# Altium PCB х__логия_v25.PcbDoc (part 1 of 3) (continued)
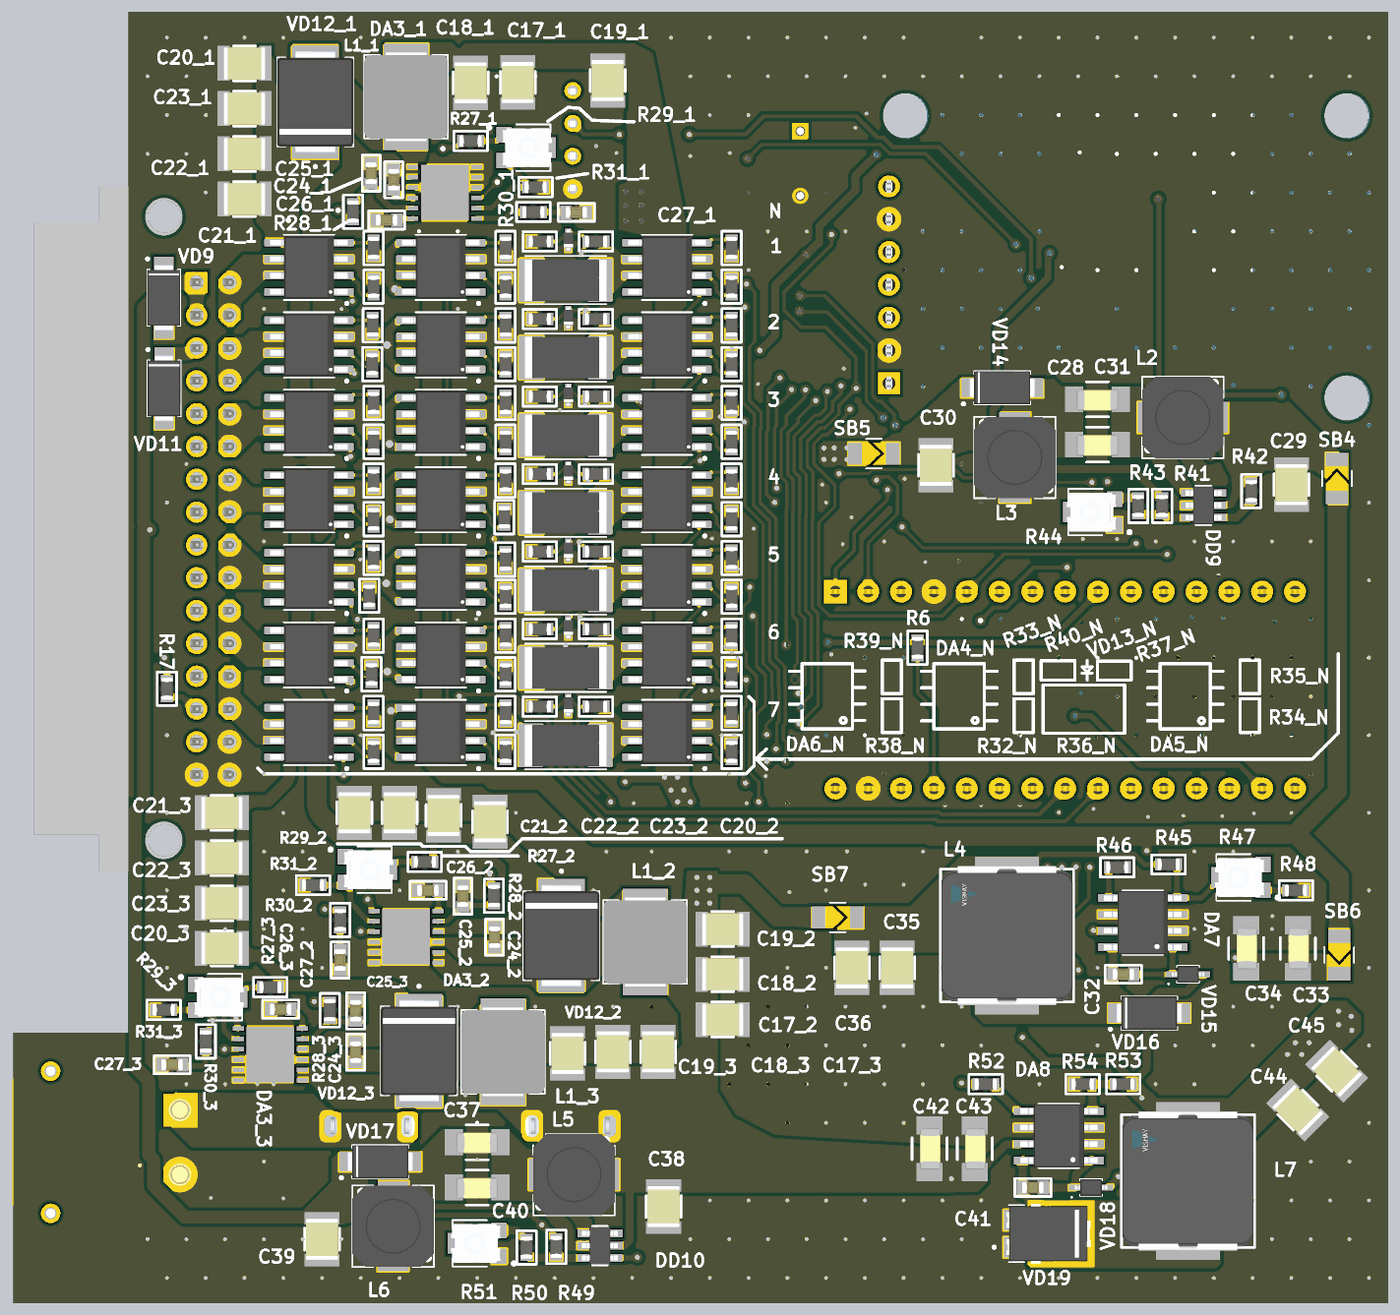
[diagram p7: 3D render of the assembled board from below, using the file's embedded part models]

## Layer stack, top to bottom
Top Solder: solder mask 0.0102, Solder Resist, Dk 3.5
Top Layer: signal copper 0.0356
Dielectric 2: prepreg 0.0711, PP-006, Dk 4.1
Layer 1: signal copper 0.035
Dielectric 1: dielectric 1.3, FR-4, Dk 4.8
Layer 2: signal copper 0.035
Dielectric 3: prepreg 0.0711, PP-006, Dk 4.1
Bottom Layer: signal copper 0.0356
Bottom Solder: solder mask 0.0102, Solder Resist, Dk 3.5

## Board outline
0,0 106.4,0 106.4,20.975 97.5,20.975 97.5,100 0,100

## Design rules (kind name [scope] priority, off if disabled: settings)
Clearance [All] p1: gap=0.254 ignorepadtopadclearanceinfootprint=TRUE
DiffPairsRouting [All] p1: maxlimit=0.254 minlimit=0.254 mostfreqgap=0.254 toplayer_minwidth=0.381 toplayer_maxwidth=0.381 toplayer_prefwidth=0.381 midlayer1_minwidth=0.381 midlayer1_maxwidth=0.381 midlayer1_prefwidth=0.381 midlayer2_minwidth=0.381 midlayer2_maxwidth=0.381 midlayer2_prefwidth=0.381 bottomlayer_minwidth=0.381 bottomlayer_maxwidth=0.381 bottomlayer_prefwidth=0.381 maxuncoupledlength=12.7
HoleSize [All] p1: absolutevalues=TRUE maxlimit=3.5 minlimit=0.3 maxpercent=80.000 minpercent=20.000
MinimumSolderMaskSliver [All] p1: minsoldermaskwidth=0.1
PolygonConnect [All] p1: connectstyle=Direct reliefconductorwidth=0.5 reliefentries=4 polygonreliefangle="90 Angle" airgapwidth=0.254
RoomDefinition switches1 [InComponentClass('switches1')] p1: confinementstyle=ConfineIn formatcopy=TRUE lockcomponents=FALSE outline 50.407,77.065 50.407,80.373 50.407,83.373 63.433,83.373 63.433,83.575 64.868,83.575 64.868,83.373 79.615,83.373 79.615,83.173 87.5,83.173 87.5,77.265 79.615,77.265 79.615,77.065 68.49,77.065 68.49,77 60.212,77 60.212,77.065
RoomDefinition switches2 [InComponentClass('switches2')] p2: confinementstyle=ConfineIn formatcopy=TRUE lockcomponents=FALSE outline 50.407,71.065 50.407,74.373 50.407,77.373 63.433,77.373 63.433,77.575 64.868,77.575 64.868,77.373 79.615,77.373 79.615,77.173 87.5,77.173 87.5,71.265 79.615,71.265 79.615,71.065 68.49,71.065 68.49,71 60.212,71 60.212,71.065
RoomDefinition switches3 [InComponentClass('switches3')] p3: confinementstyle=ConfineIn formatcopy=TRUE lockcomponents=FALSE outline 50.407,65.065 50.407,68.373 50.407,71.373 63.433,71.373 63.433,71.575 64.868,71.575 64.868,71.373 79.615,71.373 79.615,71.173 87.5,71.173 87.5,65.265 79.615,65.265 79.615,65.065 68.49,65.065 68.49,65 60.212,65 60.212,65.065
RoomDefinition switches4 [InComponentClass('switches4')] p4: confinementstyle=ConfineIn formatcopy=TRUE lockcomponents=FALSE outline 50.407,59.065 50.407,62.373 50.407,65.373 63.433,65.373 63.433,65.575 64.868,65.575 64.868,65.373 79.615,65.373 79.615,65.173 87.5,65.173 87.5,59.265 79.615,59.265 79.615,59.065 68.49,59.065 68.49,59 60.212,59 60.212,59.065
RoomDefinition switches5 [InComponentClass('switches5')] p5: confinementstyle=ConfineIn formatcopy=TRUE lockcomponents=FALSE outline 50.407,53.065 50.407,56.373 50.407,59.373 63.433,59.373 63.433,59.575 64.868,59.575 64.868,59.373 79.615,59.373 79.615,59.173 87.5,59.173 87.5,53.265 79.615,53.265 79.615,53.065 68.49,53.065 68.49,53 60.212,53 60.212,53.065
RoomDefinition switches6 [InComponentClass('switches6')] p6: confinementstyle=ConfineIn formatcopy=TRUE lockcomponents=FALSE outline 50.407,47.065 50.407,50.373 50.407,53.373 63.433,53.373 63.433,53.575 64.868,53.575 64.868,53.373 79.615,53.373 79.615,53.173 87.5,53.173 87.5,47.265 79.615,47.265 79.615,47.065 68.49,47.065 68.49,47 60.212,47 60.212,47.065
RoomDefinition "Uswitches 7" [InComponentClass('Uswitches 7')] p7: confinementstyle=ConfineIn formatcopy=TRUE lockcomponents=FALSE outline 50.407,41.065 50.407,44.373 50.407,47.373 63.433,47.373 63.433,47.575 64.868,47.575 64.868,47.373 79.615,47.373 79.615,47.173 87.5,47.173 87.5,41.265 79.615,41.265 79.615,41.065 68.49,41.065 68.49,41 60.212,41 60.212,41.065
RoomDefinition "dc dc жарить панели2" [InComponentClass('dc dc жарить панели2')] p8: confinementstyle=ConfineIn formatcopy=TRUE lockcomponents=FALSE outline 53.794,20.043 53.794,30.957 59.861,30.957 59.861,32.657 66.375,32.657 66.375,33.689 67.543,33.689 67.543,40.706 81.957,40.706 81.957,35.079 84.815,35.079 84.815,32.854 87.279,32.854 87.279,30.646 84.815,30.646 84.815,30.421 84.729,30.421 84.729,27.596 84.429,27.596 84.429,24.246 73.333,24.246 73.333,23.306 59.206,23.306 59.206,20.043
RoomDefinition "dc dc жарить панели3" [InComponentClass('dc dc жарить панели3')] p9: confinementstyle=ConfineIn formatcopy=TRUE lockcomponents=FALSE outline 59.293,16.294 59.293,21.706 68.986,21.706 68.986,23.657 75.5,23.657 75.5,24.689 84.846,24.689 84.846,25.604 87.771,25.604 87.771,26.079 87.794,26.079 87.794,39.957 93.206,39.957 93.206,26.079 93.94,26.079 93.94,23.854 96.404,23.854 96.404,21.646 93.94,21.646 93.94,21.421 93.854,21.421 93.854,18.596 93.554,18.596 93.554,15.246 82.458,15.246 82.458,14.306 75.5,14.306 75.5,14.343 68.986,14.343 68.986,16.294
RoutingVias [All] p1: holewidth=0.6 width=1 viastyle="Through Hole" minholewidth=0.4 minwidth=0.7 maxholewidth=0.711 maxwidth=1.27
SilkToSolderMaskClearance [IsPad] p1: minsilkscreentomaskgap=0.1 clearancetoexposedcopper=TRUE
SolderMaskExpansion SolderMaskExpansion_1 [HoleDiameter <= 0.4 & HoleDiameter >= 0.3] p1: expansion=0.102 istentingtop=TRUE
SolderMaskExpansion [All] p2: expansion=0.102 istentingtop=FALSE
Width [All] p1: maxlimit=1.5 minlimit=0.25 preferedwidth=0.6
26 further rules are at their usual default settings.

## Classes and differential pairs
component class "Udc dc на аккум": C28 C29 C30 C31 C32 C33 C34 C35 C36 DA7 DD9 L2 L3 L4 R41 R42 R43 R44 R45 R46 R47 R48 SB4 SB5 SB6 SB7 VD14 VD15 VD16
channel class switches: U_switches1 U_switches2 U_switches3 U_switches4 U_switches5 U_switches6 U_switches7
channel class "dc dc жарить панели": "dc dc жарить панели1" "dc dc жарить панели2" "dc dc жарить панели3"
net class voltage_[1..6]: voltage_1 voltage_2 voltage_3 voltage_4 voltage_5 voltage_6
net class panel_[1..6]: panel_1 panel_2 panel_3 panel_4 panel_5 panel_6
net class en_jarka_[1..6]: en_jarka_1 en_jarka_2 en_jarka_3 en_jarka_4 en_jarka_5 en_jarka_6
net class +24_[1..3]: +24_1 +24_2 +24_3
component class хихема: C1 C2 C3 C4 C5 C6 C7 C8 C9 C10 C11 C12 C13 C14 C15 C16 CC D1 D2 DA1 DA2 DD1 DD2 DD3 DD4 DD5 DD6 DD7 DD8 F1 R1 R2 R3 R4 R5 R6 R7 R8 R9 R10 R11 R12 R13 R14 R15 R16 R17 R18 R19 R20 R21 R22 R23 R24 R25 R26 SB1 SB2 SB3 U1 VD1 VD2 VD3 VD4 VD5 VD6 VD7 VD8 VD9 VD10 VD11 VT1 X1 XP1
component class U_switches7: DA4_7 DA5_7 DA6_7 R32_7 R33_7 R34_7 R35_7 R36_7 R37_7 R38_7 R39_7 R40_7 VD13_7
component class "Udc dc sepic 12-12": C37 C38 C39 C40 DD10 L5 L6 R49 R50 R51 VD17
component class "Udc dc 5v": C41 C42 C43 C44 C45 DA8 L7 R52 R53 R54 VD18 VD19
component class U_switches6: DA4_6 DA5_6 DA6_6 R32_6 R33_6 R34_6 R35_6 R36_6 R37_6 R38_6 R39_6 R40_6 VD13_6
component class U_switches5: DA4_5 DA5_5 DA6_5 R32_5 R33_5 R34_5 R35_5 R36_5 R37_5 R38_5 R39_5 R40_5 VD13_5
component class U_switches4: DA4_4 DA5_4 DA6_4 R32_4 R33_4 R34_4 R35_4 R36_4 R37_4 R38_4 R39_4 R40_4 VD13_4
component class U_switches3: DA4_3 DA5_3 DA6_3 R32_3 R33_3 R34_3 R35_3 R36_3 R37_3 R38_3 R39_3 R40_3 VD13_3
component class U_switches2: DA4_2 DA5_2 DA6_2 R32_2 R33_2 R34_2 R35_2 R36_2 R37_2 R38_2 R39_2 R40_2 VD13_2
component class U_switches1: DA4_1 DA5_1 DA6_1 R32_1 R33_1 R34_1 R35_1 R36_1 R37_1 R38_1 R39_1 R40_1 VD13_1
component class "dc dc жарить панели3": C17_3 C18_3 C19_3 C20_3 C21_3 C22_3 C23_3 C24_3 C25_3 C26_3 C27_3 DA3_3 L1_3 R27_3 R28_3 R29_3 R30_3 R31_3 VD12_3
component class "dc dc жарить панели2": C17_2 C18_2 C19_2 C20_2 C21_2 C22_2 C23_2 C24_2 C25_2 C26_2 C27_2 DA3_2 L1_2 R27_2 R28_2 R29_2 R30_2 R31_2 VD12_2
component class "dc dc жарить панели1": C17_1 C18_1 C19_1 C20_1 C21_1 C22_1 C23_1 C24_1 C25_1 C26_1 C27_1 DA3_1 L1_1 R27_1 R28_1 R29_1 R30_1 R31_1 VD12_1
differential pair RS485_2: +RS485_2_P -RS485_2_N
differential pair RS485_2r: +RS485_2r_P -RS485_2r_N
differential pair RS485_1: +RS485_1_P -RS485_1_N
differential pair RS485_1r: +RS485_1r_P -RS485_1r_N

## Components (designator, comment, footprint, x,y, rotation, side; value= is the part's Value field where it differs from the comment)
C1 "Capacitor" SMD_cap_12,5x13,5 51.775,17.475 r90 top value="1000 мк"
C2 "Capacitor" 1210C 37.7,34.875 r270 top value="22 мк"
C3 "Capacitor" 0603C 7.95,36.5 r180 top value="0,1 мк"
C4 "Capacitor" 10x20_radial 45.5,88.25 r270 top value="2200 мк"
C5 "Capacitor" 1210C 32.95,85.7 r90 top value="22 мк"
C6 "Capacitor" 0603C 29.9,84.8 r90 top value="0,1 мк"
C7 "Capacitor" 0603C 78.986,58.569 r20 top value="0,1 мк"
C8 "Capacitor" 0603C 76.675,52.675 r90 top value="0,1 мк"
C9 "Capacitor" 0603C 21.275,60.7 r90 top value="0,1 мк"
C10 "Capacitor" 0603C 28.95,49.2 r270 top value="0,1 мк"
C11 "Capacitor" 0603C 51,80.75 r90 top value="0,1 мк"
C12 "Capacitor" 0603C 30.7,23.8 r90 top value="0,1 мк"
C13 "Capacitor" 0603C 37.819,65.8 r90 top value="0,1 мк"
C14 "Capacitor" 0603C 23.75,58 r0 top value="0,1 мк"
C15 "Capacitor" 0603C 25.3,19 r0 top value="1 мк"
C16 "Capacitor" 0603C 61.3,90.4 r90 top value="0,1 мк"
C17_1 "Capacitor" 1210C 67.35,94.525 r90 bottom value="10 мк" (schematic designator C17)
C17_2 "Capacitor" 1210C 51.5,22 r0 bottom value="10 мк" (schematic designator C17)
C17_3 "Capacitor" 1210C 56.5,19.5 r270 bottom value="10 мк" (schematic designator C17)
C18_1 "Capacitor" 1210C 71,94.5 r90 bottom value="10 мк" (schematic designator C18)
C18_2 "Capacitor" 1210C 51.5,25.5 r0 bottom value="10 мк" (schematic designator C18)
C18_3 "Capacitor" 1210C 60,19.5 r270 bottom value="10 мк" (schematic designator C18)
C19_1 "Capacitor" 1210C 60.4,94.675 r90 bottom value="10 мк" (schematic designator C19)
C19_2 "Capacitor" 1210C 51.5,29 r0 bottom value="10 мк" (schematic designator C19)
C19_3 "Capacitor" 1210C 63.5,19.375 r270 bottom value="10 мк" (schematic designator C19)
C20_1 "Capacitor" 1210C 88.5,96 r180 bottom value="10 мк" (schematic designator C20)
C20_2 "Capacitor" 1210C 69.5,37.3 r270 bottom value="10 мк" (schematic designator C20)
C20_3 "Capacitor" 1210C 90.25,27.5 r180 bottom value="10 мк" (schematic designator C20)
C21_1 "Capacitor" 1210C 88.5,85.5 r180 bottom value="10 мк" (schematic designator C21)
C21_2 "Capacitor" 1210C 80,38 r270 bottom value="10 мк" (schematic designator C21)
C21_3 "Capacitor" 1210C 90.25,38 r180 bottom value="10 мк" (schematic designator C21)
C22_1 "Capacitor" 1210C 88.5,89 r180 bottom value="10 мк" (schematic designator C22)
C22_2 "Capacitor" 1210C 76.5,38 r270 bottom value="10 мк" (schematic designator C22)
C22_3 "Capacitor" 1210C 90.25,34.5 r180 bottom value="10 мк" (schematic designator C22)
C23_1 "Capacitor" 1210C 88.5,92.5 r180 bottom value="10 мк" (schematic designator C23)
C23_2 "Capacitor" 1210C 73.1,37.8 r270 bottom value="10 мк" (schematic designator C23)
C23_3 "Capacitor" 1210C 90.25,31 r180 bottom value="10 мк" (schematic designator C23)
C24_1 "Capacitor" 0603C 76.95,87 r90 bottom value="1 мк" (schematic designator C24)
C24_2 "Capacitor" 0603C 69.15,28.375 r270 bottom value="1 мк" (schematic designator C24)
C24_3 "Capacitor" 0603C 79.9,19.475 r270 bottom value="1 мк" (schematic designator C24)
C25_1 "Capacitor" 0603C 78.7,87.5 r270 bottom value="1 мк" (schematic designator C25)
C25_2 "Capacitor" 0603C 71.6,31.55 r270 bottom value="1 мк" (schematic designator C25)
C25_3 "Capacitor" 0603C 79.9,22.675 r270 bottom value="1 мк" (schematic designator C25)
C26_1 "Capacitor" 0603C 77.5,83.875 r0 bottom value="33 н" (schematic designator C26)
C26_2 "Capacitor" 0603C 74.3,32 r0 bottom value="33 н" (schematic designator C26)
C26_3 "Capacitor" 0603C 85.7,22.8 r0 bottom value="33 н" (schematic designator C26)
C27_1 "Capacitor" 0603C 62.825,84.475 r0 bottom value="1 н" (schematic designator C27)
C27_2 "Capacitor" 0603C 81.1,26.6 r90 bottom value="1 н" (schematic designator C27)
C27_3 "Capacitor" 0603C 94.1,18.5 r180 bottom value="1 н" (schematic designator C27)
C28 "Capacitor" 1206C 22.5,66.5 r0 bottom value="4,7 мк"
C29 "Capacitor" 1210C 7.5,63.4 r90 bottom value="22 мк"
C30 "Capacitor" 1210C 35,64.9 r90 bottom value="22 мк"
C31 "Capacitor" 1206C 22.5,70 r0 bottom value="4,7 мк"
C32 "Capacitor" 0603C 20.5,25.5 r180 bottom value="10 н"
C33 "Capacitor" 1206C 7,27.5 r270 bottom value="4,7 мк"
C34 "Capacitor" 1206C 11,27.5 r270 bottom value="4,7 мк"
C35 "Capacitor" 1210C 38,26 r90 bottom value="22 мк"
C36 "Capacitor" 1210C 41.5,26 r90 bottom value="22 мк"
C37 "Capacitor" 1206C 70.5,12.5 r0 bottom value="4,7 мк"
C38 "Capacitor" 1210C 56.075,7.525 r90 bottom value="22 мк"
C39 "Capacitor" 1210C 82.5,5 r90 bottom value="22 мк"
C40 "Capacitor" 1206C 70.5,9 r0 bottom value="4,7 мк"
C41 "Capacitor" 0603C 27.5,9 r180 bottom value="10 н"
C42 "Capacitor" 1206C 35.5,12 r270 bottom value="4,7 мк"
C43 "Capacitor" 1206C 32,12 r270 bottom value="4,7 мк"
C44 "Capacitor" 1210C 7,15 r45 bottom value="22 мк"
C45 "Capacitor" 1210C 4,18 r45 bottom value="22 мк"
D1 "PSM712" SOT23-3 81.375,62.825 r180 top
D2 "PSM712" SOT23-3 78.986,68.869 r180 top
DA1 "VN7140AS" SOP8 18.9,83.6 r0 top
DA2 "VN7140AS" SOP8 58.1,84.3 r0 top
DA3_1 "RT8509A" WDFN5x5-12 73,86 r90 bottom (schematic designator DA3)
DA3_2 "RT8509A" WDFN5x5-12 76,28.4 r270 bottom (schematic designator DA3)
DA3_3 "RT8509A" WDFN5x5-12 86.5,19.3 r270 bottom (schematic designator DA3)
DA4_1 "VN7140AS" SOP8 73.311,80.219 r0 bottom (schematic designator DA4)
DA4_2 "VN7140AS" SOP8 73.311,74.219 r0 bottom (schematic designator DA4)
DA4_3 "VN7140AS" SOP8 73.311,68.219 r0 bottom (schematic designator DA4)
DA4_4 "VN7140AS" SOP8 73.311,62.219 r0 bottom (schematic designator DA4)
DA4_5 "VN7140AS" SOP8 73.311,56.219 r0 bottom (schematic designator DA4)
DA4_6 "VN7140AS" SOP8 73.311,50.219 r0 bottom (schematic designator DA4)
DA4_7 "VN7140AS" SOP8 73.311,44.219 r0 bottom (schematic designator DA4)
DA5_1 "VN7140AS" SOP8 55.811,80.219 r0 bottom (schematic designator DA5)
DA5_2 "VN7140AS" SOP8 55.811,74.219 r0 bottom (schematic designator DA5)
DA5_3 "VN7140AS" SOP8 55.811,68.219 r0 bottom (schematic designator DA5)
DA5_4 "VN7140AS" SOP8 55.811,62.219 r0 bottom (schematic designator DA5)
DA5_5 "VN7140AS" SOP8 55.811,56.219 r0 bottom (schematic designator DA5)
DA5_6 "VN7140AS" SOP8 55.811,50.219 r0 bottom (schematic designator DA5)
DA5_7 "VN7140AS" SOP8 55.811,44.219 r0 bottom (schematic designator DA5)
DA6_1 "VN7140AS" SOP8 83.511,80.219 r0 bottom (schematic designator DA6)
DA6_2 "VN7140AS" SOP8 83.511,74.219 r0 bottom (schematic designator DA6)
DA6_3 "VN7140AS" SOP8 83.511,68.219 r0 bottom (schematic designator DA6)
DA6_4 "VN7140AS" SOP8 83.511,62.219 r0 bottom (schematic designator DA6)
DA6_5 "VN7140AS" SOP8 83.511,56.219 r0 bottom (schematic designator DA6)
DA6_6 "VN7140AS" SOP8 83.511,50.219 r0 bottom (schematic designator DA6)
DA6_7 "VN7140AS" SOP8 83.511,44.219 r0 bottom (schematic designator DA6)
DA7 "RT8279GSP" 8SOP(Exposed_Pad) 19,29.5 r0 bottom
DA8 "RT8279GSP" 8SOP(Exposed_Pad) 25.5,13 r0 bottom
DD1 "sim800l" sim800l 38.633,71.243 r0 top
DD2 "arduino_nano" arduino_nano 25,47.5 r270 top
DD3 "MC74HC595ADR2G" SOIC-16 44.675,76.825 r0 top
DD4 "MAX485CSA" SOIC-8 32.825,47.3 r90 top
DD5 "MC74HC595ADR2G" SOIC-16 17.489,66.205 r270 top
DD6 "ADM2483BRWZ" SOIC-16W 31.005,62.41 r0 top
DD7 "74HC4051PW,118" TSSOP-16 26.65,25.6 r90 top
DD8 "DHT22" DHT22 63.1,90.09 r270 top
DD9 "MT3608" SOT23-6 14.3,61.8 r270 bottom
DD10 "MT3608" SOT23-6 61,4.5 r270 bottom
F1 "Fuse 20x5 on clips FC-M" fuse_20x5_on_clips_FC-M 71.05,13.75 r0 top value={Номинал}
L1_1 "IHLP2525CZER4R7M01" IHLP-2525 76,93.421 r270 bottom value="4,7 мк" (schematic designator L1)
L1_2 "IHLP2525CZER4R7M01" IHLP-2525 57.5,28 r90 bottom value="4,7 мк" (schematic designator L1)
L1_3 "IHLP2525CZER4R7M01" IHLP-2525 68.5,19.5 r90 bottom value="4,7 мк" (schematic designator L1)
L2 "B82462G4223M" B82462G4 15.9,68.6 r0 bottom value="22 мк"
L3 "B82462G4223M" B82462G4 28.9,65.5 r90 bottom value="22 мк"
L4 "IHLP4040DZER220M11" IHLP-4040 29.5,28.5 r90 bottom value="22 мк"
L5 "B82462G4223M" B82462G4 63,10 r0 bottom value="22 мк"
L6 "B82462G4223M" B82462G4 77,6 r90 bottom value="22 мк"
L7 "IHLP4040DZER330M11" IHLP-4040 15.5,9.5 r90 bottom value="33 мк"